# KiCad board adatv2.kicad_pcb
title: 16-in, 16-out USB <-> ADAT interface; rev: 1.0a; company: Rethera; note: Drawn by Łukasz Świszcz
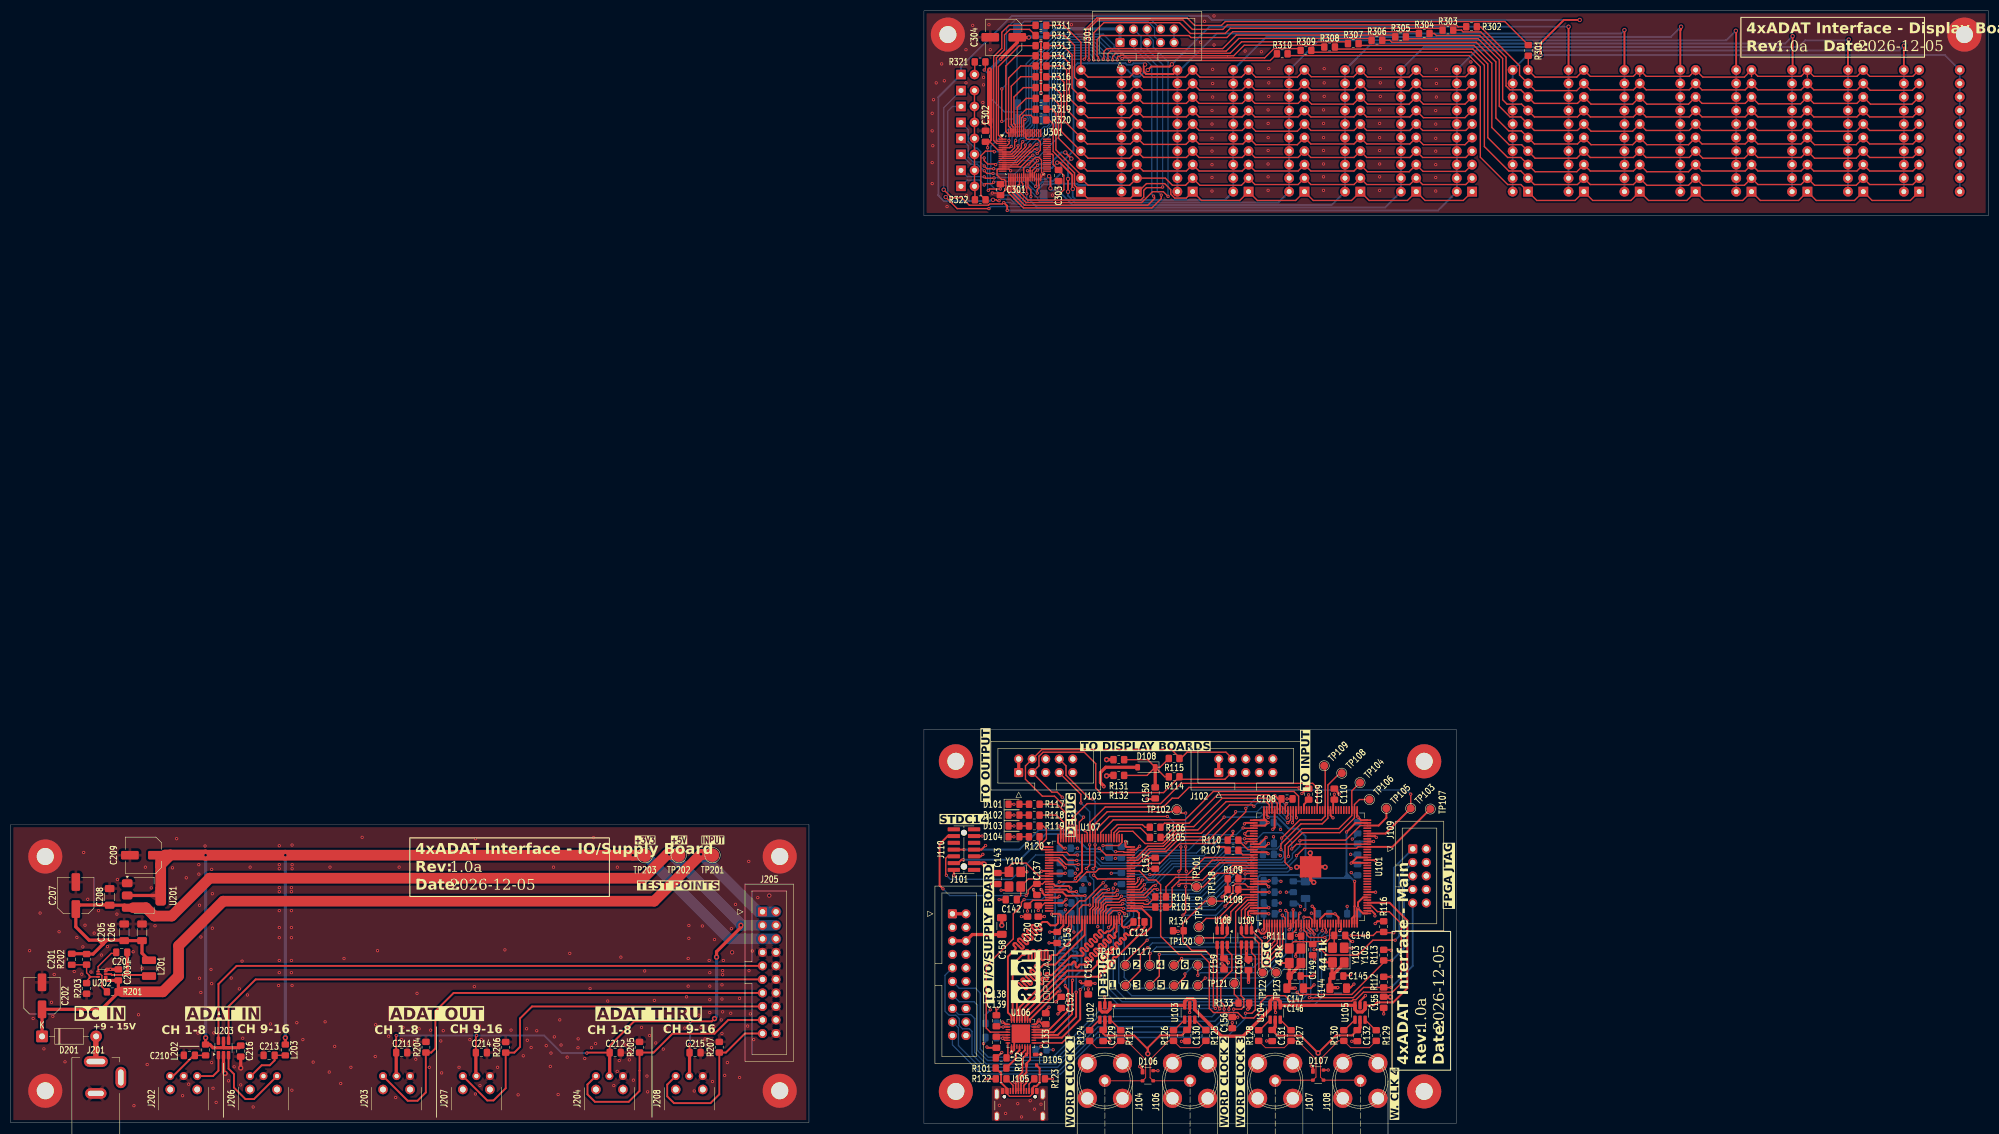
[diagram p0: board, top side]
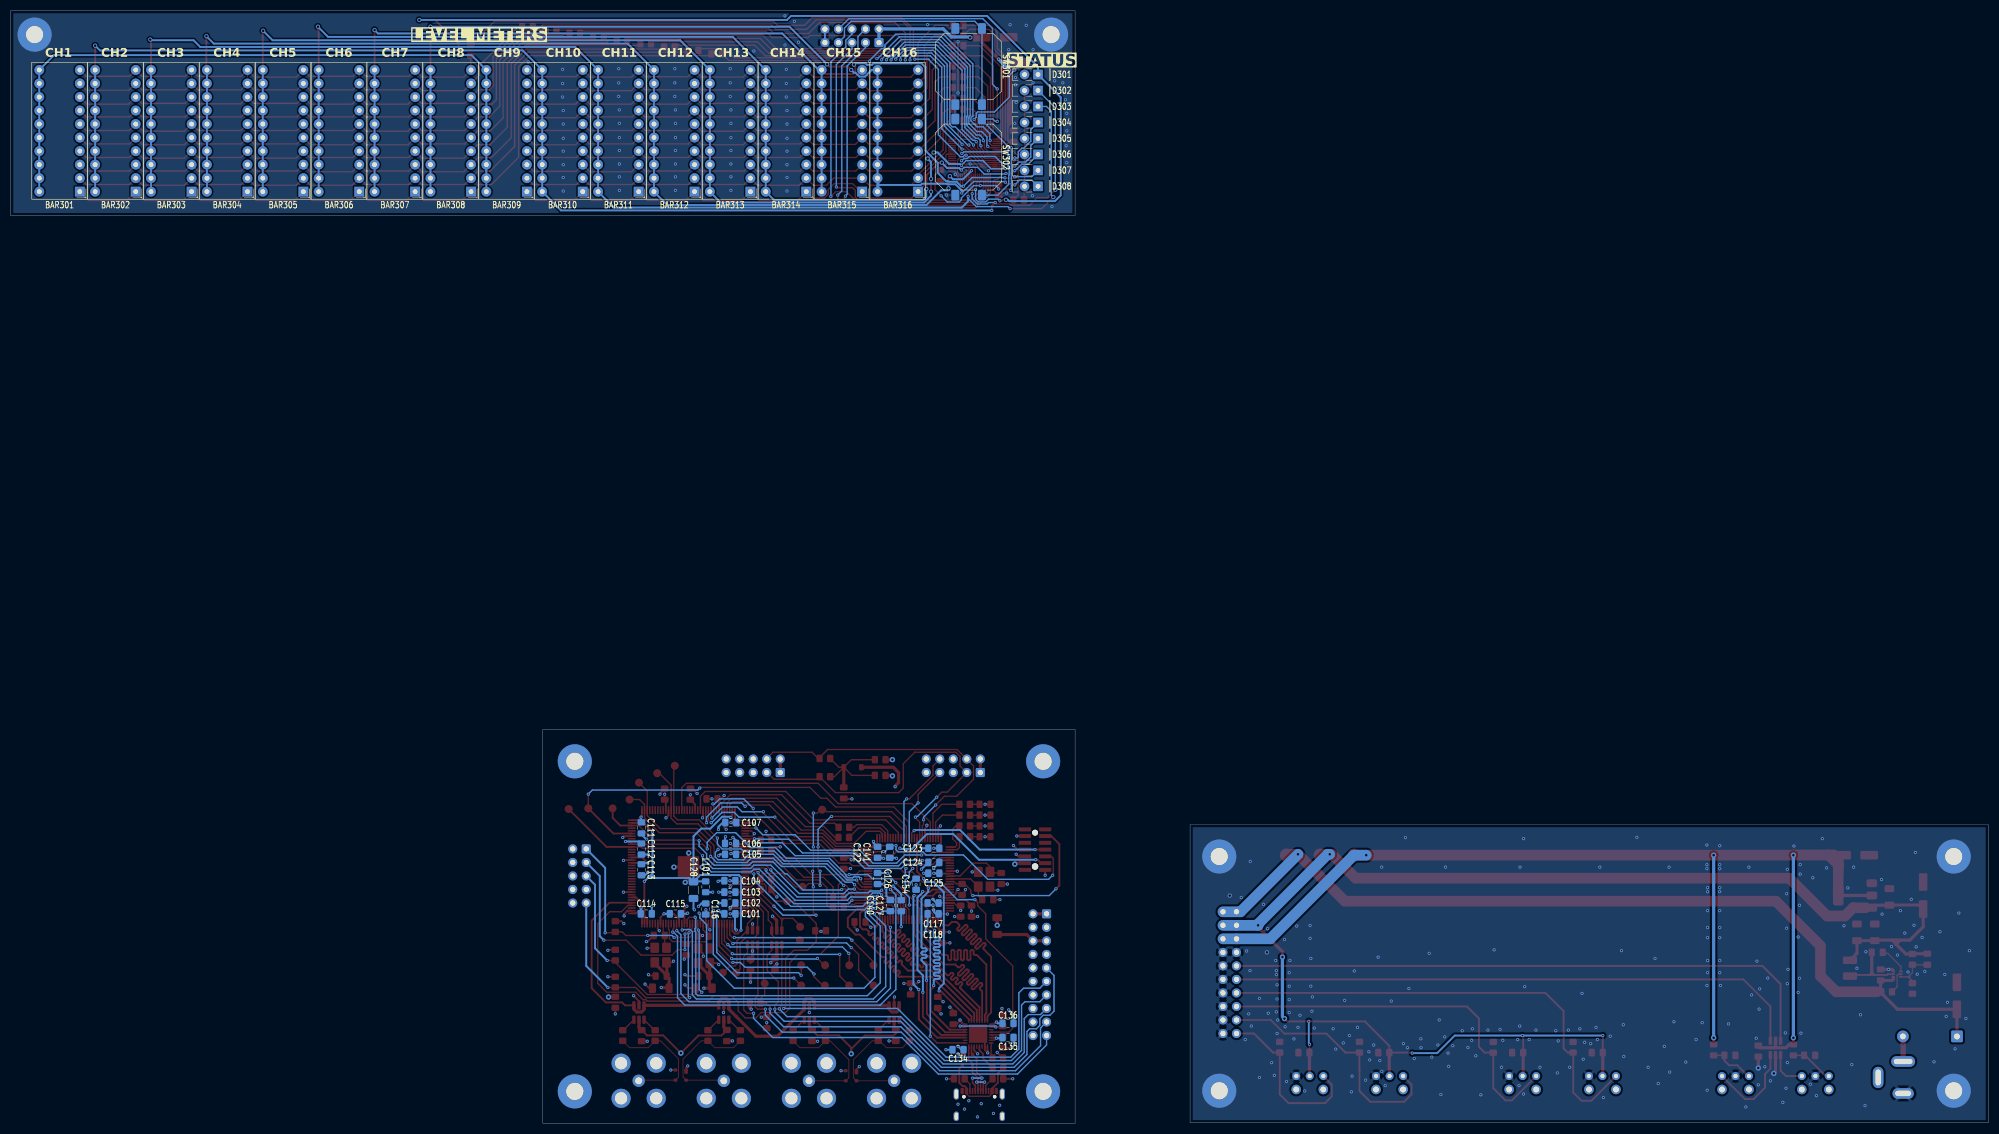
[diagram p1: board, bottom side, seen from below]

Outline 371.6 x 209 mm; copper layers: F.Cu (sig), In1.Cu (gnd) (plane), In2.Cu (pwr) (plane), B.Cu (sig). Coordinates in mm from the lower left corner of the outline.
Outline path: rectangle 0,56.12 150,0.12 ; rectangle 171.6,209 371.6,170.49 ; 171.6,74 271.6,74 271.6,0 171.6,0 171.6,74
Stack: F.Cu (sig) 0.035mm / dielectric 0.2104mm FR4 er 4.4 / In1.Cu (gnd) 0.0152mm / dielectric 1.065mm FR4 er 4.4 / In2.Cu (pwr) 0.0152mm / dielectric 0.2104mm FR4 er 4.4 / B.Cu (sig) 0.035mm

## Placement (name value [footprint] x y rotation side)
BAR301  KYX-B10BRYG-3  [LED_10bar]  362.41 186.43 0 bottom
BAR302  KYX-B10BRYG-3  [LED_10bar]  351.91 186.43 0 bottom
BAR303  KYX-B10BRYG-3  [LED_10bar]  341.41 186.43 0 bottom
BAR304  KYX-B10BRYG-3  [LED_10bar]  330.91 186.43 0 bottom
BAR305  KYX-B10BRYG-3  [LED_10bar]  320.41 186.43 0 bottom
BAR306  KYX-B10BRYG-3  [LED_10bar]  309.91 186.43 0 bottom
BAR307  KYX-B10BRYG-3  [LED_10bar]  299.41 186.43 0 bottom
BAR308  KYX-B10BRYG-3  [LED_10bar]  288.91 186.43 0 bottom
BAR309  KYX-B10BRYG-3  [LED_10bar]  278.41 186.43 0 bottom
BAR310  KYX-B10BRYG-3  [LED_10bar]  267.91 186.43 0 bottom
BAR311  KYX-B10BRYG-3  [LED_10bar]  257.41 186.43 0 bottom
BAR312  KYX-B10BRYG-3  [LED_10bar]  246.91 186.43 0 bottom
BAR313  KYX-B10BRYG-3  [LED_10bar]  236.41 186.43 0 bottom
BAR314  KYX-B10BRYG-3  [LED_10bar]  225.91 186.43 0 bottom
BAR315  KYX-B10BRYG-3  [LED_10bar]  215.41 186.43 0 bottom
BAR316  KYX-B10BRYG-3  [LED_10bar]  204.91 186.43 0 bottom
C101  100n  [C_0805_2012Metric_Pad1.18x1.45mm_HandSolder]  236.46 39.36 0 bottom
C102  100n  [C_0805_2012Metric_Pad1.18x1.45mm_HandSolder]  236.46 41.39 0 bottom
C103  100n  [C_0805_2012Metric_Pad1.18x1.45mm_HandSolder]  236.46 43.42 0 bottom
C104  100n  [C_0805_2012Metric_Pad1.18x1.45mm_HandSolder]  236.46 45.58 0 bottom
C105  100n  [C_0805_2012Metric_Pad1.18x1.45mm_HandSolder]  236.33 50.53 0 bottom
C106  100n  [C_0805_2012Metric_Pad1.18x1.45mm_HandSolder]  236.33 52.56 0 bottom
C107  100n  [C_0805_2012Metric_Pad1.18x1.45mm_HandSolder]  236.29 56.5 0 bottom
C108  100n  [C_0805_2012Metric_Pad1.18x1.45mm_HandSolder]  239.82 60.95 0 top
C109  100n  [C_0805_2012Metric_Pad1.18x1.45mm_HandSolder]  243.89 61.84 90 top
C110  100n  [C_0805_2012Metric_Pad1.18x1.45mm_HandSolder]  248.71 61.84 90 top
C111  100n  [C_0805_2012Metric_Pad1.18x1.45mm_HandSolder]  253.08 55.51 270 bottom
C112  100n  [C_0805_2012Metric_Pad1.18x1.45mm_HandSolder]  253.08 51.53 270 bottom
C113  100n  [C_0805_2012Metric_Pad1.18x1.45mm_HandSolder]  253.08 47.63 270 bottom
C114  100n  [C_0805_2012Metric_Pad1.18x1.45mm_HandSolder]  252.17 39.36 180 bottom
C115  100n  [C_0805_2012Metric_Pad1.18x1.45mm_HandSolder]  246.7 39.36 180 bottom
C116  4.7u  [C_0805_2012Metric_Pad1.18x1.45mm_HandSolder]  241.01 40.27 90 bottom
C117  100n  [C_0805_2012Metric_Pad1.18x1.45mm_HandSolder]  198.27 41.39 0 bottom
C118  100n  [C_0805_2012Metric_Pad1.18x1.45mm_HandSolder]  198.27 39.36 0 bottom
C119  100n  [C_0805_2012Metric_Pad1.18x1.45mm_HandSolder]  193.09 39.86 270 top
C120  100n  [C_0805_2012Metric_Pad1.18x1.45mm_HandSolder]  191.06 39.86 270 top
C121  100n  [C_0805_2012Metric_Pad1.18x1.45mm_HandSolder]  212.01 37.83 0 top
C122  100n  [C_0805_2012Metric_Pad1.18x1.45mm_HandSolder]  208.71 50.91 270 bottom
C123  100n  [C_0805_2012Metric_Pad1.18x1.45mm_HandSolder]  198.15 51.68 0 bottom
C124  100n  [C_0805_2012Metric_Pad1.18x1.45mm_HandSolder]  198.15 49.01 0 bottom
C125  4.7u  [C_0805_2012Metric_Pad1.18x1.45mm_HandSolder]  198.15 46.98 0 bottom
C126  1u  [C_0805_2012Metric_Pad1.18x1.45mm_HandSolder]  208.71 45.98 270 bottom
C127  1u  [C_0805_2012Metric_Pad1.18x1.45mm_HandSolder]  204.26 40.88 90 bottom
C128  10u  [C_1206_3216Metric_Pad1.33x1.80mm_HandSolder]  243.3 43.8 270 bottom
C129  100n  [C_0805_2012Metric_Pad1.18x1.45mm_HandSolder]  205.28 16.5 270 top
C130  100n  [C_0805_2012Metric_Pad1.18x1.45mm_HandSolder]  221.03 16.5 270 top
C131  100n  [C_0805_2012Metric_Pad1.18x1.45mm_HandSolder]  237.03 16.5 270 top
C132  100n  [C_0805_2012Metric_Pad1.18x1.45mm_HandSolder]  253.03 16.47 270 top
C133  100n  [C_0805_2012Metric_Pad1.18x1.45mm_HandSolder]  194.49 19.65 90 top
C134  100n  [C_0805_2012Metric_Pad1.18x1.45mm_HandSolder]  193.6 13.83 0 bottom
C135  100n  [C_0805_2012Metric_Pad1.18x1.45mm_HandSolder]  184.2 16.12 180 bottom
C136  100n  [C_0805_2012Metric_Pad1.18x1.45mm_HandSolder]  184.2 18.78 180 bottom
C137  100n  [C_0805_2012Metric_Pad1.18x1.45mm_HandSolder]  192.84 43.93 270 top
C138  4.7u  [C_0805_2012Metric_Pad1.18x1.45mm_HandSolder]  185.22 19.27 90 top
C139  4.7u  [C_0805_2012Metric_Pad1.18x1.45mm_HandSolder]  185.22 15.23 270 top
C140  2.2u  [C_0805_2012Metric_Pad1.18x1.45mm_HandSolder]  206.3 40.9 90 bottom
C141  2.2u  [C_0805_2012Metric_Pad1.18x1.45mm_HandSolder]  206.42 50.91 270 bottom
C142  15p  [C_0805_2012Metric_Pad1.18x1.45mm_HandSolder]  188.01 42.02 180 top
C143  15p  [C_0805_2012Metric_Pad1.18x1.45mm_HandSolder]  185.47 45.98 270 top
C144  10u  [C_1206_3216Metric_Pad1.33x1.80mm_HandSolder]  249.44 25.39 0 top
C145  100n  [C_0805_2012Metric_Pad1.18x1.45mm_HandSolder]  249.37 27.67 0 top
C146  10u  [C_1206_3216Metric_Pad1.33x1.80mm_HandSolder]  241.35 25.39 0 top
C147  100n  [C_0805_2012Metric_Pad1.18x1.45mm_HandSolder]  241.35 27.67 0 top
C148  10p  [C_0805_2012Metric_Pad1.18x1.45mm_HandSolder]  249.73 35.29 0 top
C149  10p  [C_0805_2012Metric_Pad1.18x1.45mm_HandSolder]  244.65 32.62 270 top
C150  1u  [C_0805_2012Metric_Pad1.18x1.45mm_HandSolder]  215.06 62.07 270 top
C151  10n  [C_0805_2012Metric_Pad1.18x1.45mm_HandSolder]  202.49 25.26 270 top
C152  100n  [C_0805_2012Metric_Pad1.18x1.45mm_HandSolder]  197.41 22.72 270 top
C153  100n  [C_0805_2012Metric_Pad1.18x1.45mm_HandSolder]  196.65 34.91 270 top
C154  100n  [C_0805_2012Metric_Pad1.18x1.45mm_HandSolder]  201.47 44.92 90 bottom
C155  100n  [C_0805_2012Metric_Pad1.18x1.45mm_HandSolder]  257.99 22.74 270 top
C156  100n  [C_0805_2012Metric_Pad1.18x1.45mm_HandSolder]  229.54 18.91 270 top
C157  100n  [C_0805_2012Metric_Pad1.18x1.45mm_HandSolder]  215.06 48.86 90 top
C158  10u  [C_1206_3216Metric_Pad1.33x1.80mm_HandSolder]  186.23 37.07 90 top
C159  100n  [C_0805_2012Metric_Pad1.18x1.45mm_HandSolder]  227.99 29.96 270 top
C160  100n  [C_0805_2012Metric_Pad1.18x1.45mm_HandSolder]  232.59 29.81 270 top
C201  10p  [C_0805_2012Metric_Pad1.18x1.45mm_HandSolder]  11.48 30.82 270 top
C202  100u  [C_Elec_6.3x5.4]  5.9 23.95 90 top
C203  100n  [C_0805_2012Metric_Pad1.18x1.45mm_HandSolder]  20.24 27.88 90 top
C204  100n  [C_0805_2012Metric_Pad1.18x1.45mm_HandSolder]  20.87 32.12 180 top
C205  10u  [C_1206_3216Metric_Pad1.33x1.80mm_HandSolder]  21.33 35.88 90 top
C206  10u  [C_1206_3216Metric_Pad1.33x1.80mm_HandSolder]  24.68 35.88 90 top
C207  100u  [C_Elec_6.3x5.4]  12.25 42.79 90 top
C208  10u  [C_1206_3216Metric_Pad1.33x1.80mm_HandSolder]  18.6 42.53 90 top
C209  100u  [C_Elec_6.3x5.4]  24.94 50.37 180 top
C210  100n  [C_0805_2012Metric_Pad1.18x1.45mm_HandSolder]  33.58 12.78 180 top
C211  100n  [C_0805_2012Metric_Pad1.18x1.45mm_HandSolder]  73.48 13.28 0 top
C212  100n  [C_0805_2012Metric_Pad1.18x1.45mm_HandSolder]  113.59 13.28 0 top
C213  100n  [C_0805_2012Metric_Pad1.18x1.45mm_HandSolder]  48.57 12.78 180 top
C214  100n  [C_0805_2012Metric_Pad1.18x1.45mm_HandSolder]  88.45 13.28 0 top
C215  100n  [C_0805_2012Metric_Pad1.18x1.45mm_HandSolder]  128.6 13.28 0 top
C216  100n  [C_0805_2012Metric_Pad1.18x1.45mm_HandSolder]  43.23 13.57 270 top
C301  100n  [C_0805_2012Metric_Pad1.18x1.45mm_HandSolder]  185.98 175.37 270 top
C302  100n  [C_0805_2012Metric_Pad1.18x1.45mm_HandSolder]  183.18 185.41 90 top
C303  100n  [C_0805_2012Metric_Pad1.18x1.45mm_HandSolder]  196.9 178.04 270 top
C304  100u  [C_Elec_6.3x5.4]  186.6 204 180 top
D101  RED  [LED_0805_2012Metric_Pad1.15x1.40mm_HandSolder]  188.52 59.93 0 top
D102  RED  [LED_0805_2012Metric_Pad1.15x1.40mm_HandSolder]  188.52 57.9 0 top
D103  RED  [LED_0805_2012Metric_Pad1.15x1.40mm_HandSolder]  188.52 55.87 0 top
D104  RED  [LED_0805_2012Metric_Pad1.15x1.40mm_HandSolder]  188.52 53.83 0 top
D105  PRTR5V0U2X  [SOT-143]  191.82 11.92 270 top
D106  PRTR5V0U2X  [SOT-143]  213.68 8.94 0 top
D107  PRTR5V0U2X  [SOT-143]  245.68 9.06 0 top
D108  3V  [D_SOD-123]  213.41 66.88 180 top
D201  1N5819  [D_DO-41_SOD81_P10.16mm_Horizontal]  5.9 16.33 0 top
D301  RED  [LED_THT_W7.0mm_H2.00mm]  179.72 197.01 0 bottom
D302  GREEN  [LED_THT_W7.0mm_H2.00mm]  179.72 194.01 0 bottom
D303  GREEN  [LED_THT_W7.0mm_H2.00mm]  179.72 191.01 0 bottom
D304  GREEN  [LED_THT_W7.0mm_H2.00mm]  179.72 188.01 0 bottom
D305  GREEN  [LED_THT_W7.0mm_H2.00mm]  179.72 185.01 0 bottom
D306  GREEN  [LED_THT_W7.0mm_H2.00mm]  179.72 182.01 0 bottom
D307  GREEN  [LED_THT_W7.0mm_H2.00mm]  179.72 179.01 0 bottom
D308  GREEN  [LED_THT_W7.0mm_H2.00mm]  179.72 176.01 0 bottom
H101  M3  [MountingHole_3.2mm_M3_Pad]  177.6 6 0 top
H102  M3  [MountingHole_3.2mm_M3_Pad]  265.6 6 0 top
H103  M3  [MountingHole_3.2mm_M3_Pad]  177.6 68 0 top
H104  M3  [MountingHole_3.2mm_M3_Pad]  265.6 68 0 top
H201  M3  [MountingHole_3.2mm_M3_Pad]  144.51 6.12 180 top
H202  M3  [MountingHole_3.2mm_M3_Pad]  6.51 6.12 180 top
H203  M3  [MountingHole_3.2mm_M3_Pad]  6.51 50.12 180 top
H204  M3  [MountingHole_3.2mm_M3_Pad]  144.51 50.12 180 top
H301  M3  [MountingHole_3.2mm_M3_Pad]  367.1 204.5 0 top
H302  M3  [MountingHole_3.2mm_M3_Pad]  176.1 204.5 0 top
J101  TO_IO  [IDC-Header_2x10_P2.54mm_Vertical]  176.96 39.36 0 top
J102  TO_DISP_INPUT  [IDC-Header_2x05_P2.54mm_Vertical]  227 65.9 90 top
J103  TO_DISP_OUTPUT  [IDC-Header_2x05_P2.54mm_Vertical]  189.41 65.9 90 top
J104  WORD_CLK_1  [BNC_dosinconn_DOSIN-801-0051]  205.6 8 180 top
J105  USB_C_Receptacle_USB2.0_14P  [USB_C_Receptacle_GCT_USB4105-xx-A_16P_TopMnt_Horizontal]  189.6 2.4 0 top
J106  WORD_CLK_2  [BNC_dosinconn_DOSIN-801-0051]  221.6 8 180 top
J107  WORD_CLK_3  [BNC_dosinconn_DOSIN-801-0051]  237.6 8 180 top
J108  WORD_CLK_4  [BNC_dosinconn_DOSIN-801-0051]  253.6 8 180 top
J109  FPGA_JTAG  [IDC-Header_2x05_P2.54mm_Vertical]  263.45 51.55 0 top
J110  STDC14_SWD  [Samtec-FTSH-107-01-L-DV-K]  179.12 51.42 90 top
J201  9-15V DC  [CUI PJ-002A]  16.01 5.12 180 top
J202  PLR237  [PLx237]  32.51 4.62 180 top
J203  PLT237  [PLx237]  72.51 4.62 180 top
J204  PLT237  [PLx237]  112.51 4.62 180 top
J205  TO_MAIN  [IDC-Header_2x10_P2.54mm_Vertical]  141.27 39.74 0 top
J206  PLR237  [PLx237]  47.51 4.62 180 top
J207  PLT237  [PLx237]  87.51 4.62 180 top
J208  PLT237  [PLx237]  127.51 4.62 180 top
J301  TO_MAIN  [IDC-Header_2x05_P2.54mm_Vertical]  208.44 203 90 top
L101  FBMH2012HM221-TV  [L_0805_2012Metric_Pad1.15x1.40mm_HandSolder]  241.01 44.44 90 bottom
L201  3.3u  [L_1210_3225Metric_Pad1.42x2.65mm_HandSolder]  26 29.15 90 top
L202  47u  [L_0805_2012Metric_Pad1.15x1.40mm_HandSolder]  36.63 13.78 270 top
L203  47u  [L_0805_2012Metric_Pad1.15x1.40mm_HandSolder]  51.62 13.78 270 top
R101  1k  [R_0805_2012Metric_Pad1.20x1.40mm_HandSolder]  186.09 10.4 180 top
R102  12k/1%  [R_0805_2012Metric_Pad1.20x1.40mm_HandSolder]  186.12 12.31 0 top
R103  150  [R_0805_2012Metric_Pad1.20x1.40mm_HandSolder]  216.08 40.63 0 top
R104  150  [R_0805_2012Metric_Pad1.20x1.40mm_HandSolder]  216.08 42.53 0 top
R105  150  [R_0805_2012Metric_Pad1.20x1.40mm_HandSolder]  215.06 53.71 0 top
R106  150  [R_0805_2012Metric_Pad1.20x1.40mm_HandSolder]  215.04 55.61 0 top
R107  10k  [R_0805_2012Metric_Pad1.20x1.40mm_HandSolder]  229.68 51.29 0 top
R108  10k  [R_0805_2012Metric_Pad1.20x1.40mm_HandSolder]  229.67 43.93 0 top
R109  10k  [R_0805_2012Metric_Pad1.20x1.40mm_HandSolder]  229.68 45.96 0 top
R110  10k  [R_0805_2012Metric_Pad1.20x1.40mm_HandSolder]  229.68 53.2 0 top
R111  10k  [R_0805_2012Metric_Pad1.20x1.40mm_HandSolder]  241.48 35.16 180 top
R112  10k  [R_0805_2012Metric_Pad1.20x1.40mm_HandSolder]  257.99 26.53 270 top
R113  10k  [R_0805_2012Metric_Pad1.20x1.40mm_HandSolder]  257.99 31.59 270 top
R114  5.1k  [R_0805_2012Metric_Pad1.20x1.40mm_HandSolder]  218.62 65.11 180 top
R115  5.1k  [R_0805_2012Metric_Pad1.20x1.40mm_HandSolder]  218.62 68.53 180 top
R116  10k  [R_0805_2012Metric_Pad1.20x1.40mm_HandSolder]  257.99 36.96 90 top
R117  1k  [R_0805_2012Metric_Pad1.20x1.40mm_HandSolder]  192.34 59.93 0 top
R118  1k  [R_0805_2012Metric_Pad1.20x1.40mm_HandSolder]  192.33 57.9 0 top
R119  1k  [R_0805_2012Metric_Pad1.20x1.40mm_HandSolder]  192.34 55.87 0 top
R120  1k  [R_0805_2012Metric_Pad1.20x1.40mm_HandSolder]  192.33 53.83 0 top
R121  20  [R_0805_2012Metric_Pad1.20x1.40mm_HandSolder]  208.58 16.5 270 top
R122  5.1k  [R_0805_2012Metric_Pad1.20x1.40mm_HandSolder]  186.1 8.37 180 top
R123  5.1k  [R_0805_2012Metric_Pad1.20x1.40mm_HandSolder]  193.34 8.37 0 top
R124  20  [R_0805_2012Metric_Pad1.20x1.40mm_HandSolder]  202.74 16.5 270 top
R125  20  [R_0805_2012Metric_Pad1.20x1.40mm_HandSolder]  224.59 16.5 270 top
R126  20  [R_0805_2012Metric_Pad1.20x1.40mm_HandSolder]  218.49 16.5 270 top
R127  20  [R_0805_2012Metric_Pad1.20x1.40mm_HandSolder]  240.59 16.5 270 top
R128  20  [R_0805_2012Metric_Pad1.20x1.40mm_HandSolder]  234.49 16.5 270 top
R129  20  [R_0805_2012Metric_Pad1.20x1.40mm_HandSolder]  256.59 16.5 270 top
R130  20  [R_0805_2012Metric_Pad1.20x1.40mm_HandSolder]  250.49 16.5 270 top
R131  1k  [R_0805_2012Metric_Pad1.20x1.40mm_HandSolder]  208.22 68.31 0 top
R132  1k  [R_0805_2012Metric_Pad1.20x1.40mm_HandSolder]  208.22 65.36 0 top
R133  150  [R_0805_2012Metric_Pad1.20x1.40mm_HandSolder]  231.71 22.59 180 top
R134  150  [R_0805_2012Metric_Pad1.20x1.40mm_HandSolder]  219.41 36.18 0 top
R201  100k  [R_0805_2012Metric_Pad1.20x1.40mm_HandSolder]  19.1 24.71 180 top
R202  11k  [R_0805_2012Metric_Pad1.20x1.40mm_HandSolder]  14.27 30.8 270 top
R203  1.5k  [R_0805_2012Metric_Pad1.20x1.40mm_HandSolder]  14.27 25.34 270 top
R204  150  [R_0805_2012Metric_Pad1.20x1.40mm_HandSolder]  78.03 14.3 90 top
R205  150  [R_0805_2012Metric_Pad1.20x1.40mm_HandSolder]  118.16 14.3 90 top
R206  150  [R_0805_2012Metric_Pad1.20x1.40mm_HandSolder]  93.02 14.28 90 top
R207  150  [R_0805_2012Metric_Pad1.20x1.40mm_HandSolder]  133.15 14.3 90 top
R301  330  [R_0805_2012Metric_Pad1.20x1.40mm_HandSolder]  285.16 201.53 270 top
R302  330  [R_0805_2012Metric_Pad1.20x1.40mm_HandSolder]  274.5 205.98 0 top
R303  270  [R_0805_2012Metric_Pad1.20x1.40mm_HandSolder]  270.05 205.34 0 top
R304  270  [R_0805_2012Metric_Pad1.20x1.40mm_HandSolder]  265.61 204.71 0 top
R305  270  [R_0805_2012Metric_Pad1.20x1.40mm_HandSolder]  261.16 204.07 0 top
R306  270  [R_0805_2012Metric_Pad1.20x1.40mm_HandSolder]  256.72 203.44 0 top
R307  270  [R_0805_2012Metric_Pad1.20x1.40mm_HandSolder]  252.27 202.81 0 top
R308  270  [R_0805_2012Metric_Pad1.20x1.40mm_HandSolder]  247.83 202.17 0 top
R309  270  [R_0805_2012Metric_Pad1.20x1.40mm_HandSolder]  243.38 201.53 0 top
R310  270  [R_0805_2012Metric_Pad1.20x1.40mm_HandSolder]  238.94 200.9 0 top
R311  330  [R_0805_2012Metric_Pad1.20x1.40mm_HandSolder]  193.58 206.23 0 top
R312  330  [R_0805_2012Metric_Pad1.20x1.40mm_HandSolder]  193.58 204.33 0 top
R313  270  [R_0805_2012Metric_Pad1.20x1.40mm_HandSolder]  193.58 202.42 0 top
R314  270  [R_0805_2012Metric_Pad1.20x1.40mm_HandSolder]  193.58 200.52 0 top
R315  270  [R_0805_2012Metric_Pad1.20x1.40mm_HandSolder]  193.6 198.61 0 top
R316  270  [R_0805_2012Metric_Pad1.20x1.40mm_HandSolder]  193.58 196.58 0 top
R317  270  [R_0805_2012Metric_Pad1.20x1.40mm_HandSolder]  193.58 194.55 0 top
R318  270  [R_0805_2012Metric_Pad1.20x1.40mm_HandSolder]  193.6 192.52 0 top
R319  270  [R_0805_2012Metric_Pad1.20x1.40mm_HandSolder]  193.6 190.49 0 top
R320  270  [R_0805_2012Metric_Pad1.20x1.40mm_HandSolder]  193.6 188.45 0 top
R321  330  [R_0805_2012Metric_Pad1.20x1.40mm_HandSolder]  182.15 199.38 180 top
R322  270  [R_0805_2012Metric_Pad1.20x1.40mm_HandSolder]  182.18 173.47 180 top
SW301  SAMPLE RATE  [SW_Push_1P1T_NO_CK_PTS125Sx43SMTR]  191.6 198.5 270 bottom
SW302  LOOPBACK  [SW_Push_1P1T_NO_CK_PTS125Sx43SMTR]  191.6 181.5 270 bottom
TP101  FPGA_STATUS  [TestPoint_Pad_D1.5mm]  222.81 44.44 0 top
TP102  FPGA_CONF_DONE  [TestPoint_Pad_D1.5mm]  219.12 58.91 0 top
TP103  GPIO_MCU_READY  [TestPoint_Pad_D1.5mm]  263.07 59.17 0 top
TP104  GPIO_F_{s}_SEL  [TestPoint_Pad_D1.5mm]  253.54 63.99 0 top
TP105  GPIO_PLL_LOCKED  [TestPoint_Pad_D1.5mm]  258.49 59.17 0 top
TP106  GPIO_I2S_RESYNC_REQ  [TestPoint_Pad_D1.5mm]  255.32 60.82 0 top
TP107  GPIO_I2S_RUNNING  [TestPoint_Pad_D1.5mm]  266.75 59.04 0 top
TP108  GPIO_ADAT1_LOCKED  [TestPoint_Pad_D1.5mm]  250.11 65.77 0 top
TP109  GPIO_ADAT2_LOCKED  [TestPoint_Pad_D1.5mm]  246.81 67.17 0 top
TP110  DEBUG0  [TestPoint_Pad_D1.5mm]  209.47 29.7 0 top
TP111  DEBUG1  [TestPoint_Pad_D1.5mm]  209.47 25.89 180 top
TP112  DEBUG2  [TestPoint_Pad_D1.5mm]  214.02 29.7 0 top
TP113  DEBUG3  [TestPoint_Pad_D1.5mm]  214.04 25.89 180 top
TP114  DEBUG4  [TestPoint_Pad_D1.5mm]  218.57 29.7 0 top
TP115  DEBUG5  [TestPoint_Pad_D1.5mm]  218.62 25.89 180 top
TP116  DEBUG6  [TestPoint_Pad_D1.5mm]  223.06 29.7 0 top
TP117  DEBUG7  [TestPoint_Pad_D1.5mm]  223.06 25.89 180 top
TP118  ADAT_IN2  [TestPoint_Pad_D1.5mm]  225.7 41.74 0 top
TP119  ADAT_OUT1  [TestPoint_Pad_D1.5mm]  223.26 36.92 180 top
TP120  ADAT_OUT2  [TestPoint_Pad_D1.5mm]  223.31 34.4 90 top
TP121  ADAT_IN1  [TestPoint_Pad_D1.5mm]  229.92 26.28 90 top
TP122  ADAT_THRU1  [TestPoint_Pad_D1.5mm]  235.25 28.31 90 top
TP123  ADAT_THRU2  [TestPoint_Pad_D1.5mm]  237.79 28.31 270 top
TP201  +12V_IO  [TestPoint_Pad_D2.5mm]  131.88 50.37 180 top
TP202  +5V_IO  [TestPoint_Pad_D2.5mm]  125.53 50.37 180 top
TP203  +3.3V_IO  [TestPoint_Pad_D2.5mm]  119.18 50.37 180 top
U101  10M02SCE144  [EQFP-144-1EP_20x20mm_P0.5mm_EP4x4mm]  244.25 48.19 90 top
U102  74LVC2G17  [SOT-23-6_Handsoldering]  205.6 20.81 270 top
U103  74LVC2G17  [SOT-23-6_Handsoldering]  221.54 20.81 270 top
U104  74LVC2G17  [SOT-23-6_Handsoldering]  237.61 20.81 270 top
U105  74LVC2G17  [SOT-23-6_Handsoldering]  253.54 20.81 270 top
U106  USB3300-EZK  [QFN-32-1EP_5x5mm_P0.5mm_EP3.45x3.45mm]  189.81 16.85 90 top
U107  STM32F429VET6  [LQFP-100_14x14mm_P0.5mm]  202.81 45.91 0 top
U108  74LVC2G17  [SOT-23-6_Handsoldering]  227.65 34.86 270 top
U109  74LVC2G17  [SOT-23-6_Handsoldering]  232.2 34.91 270 top
U201  AMS1117-3.3  [SOT-223-3_TabPin2]  25.05 42.8 0 top
U202  TPS56124x  [SOT-563]  17.14 28.02 180 top
U203  74LVC2G17  [SOT-23-6_Handsoldering]  39.99 14.16 90 top
U301  HT1635D  [LQFP-64_7x7mm_P0.4mm]  190.55 181.85 0 top
Y101  24.000MHz  [Oscillator_SMD_Abracon_ASE-4Pin_3.2x2.5mm_HandSoldering]  188.69 45.85 90 top
Y102  OT2EL89CJI-111YLC-11.2896M  [Oscillator_SMD_Abracon_ASE-4Pin_3.2x2.5mm_HandSoldering]  249.48 31.61 90 top
Y103  ECS-TXO-3225MV-122.8-TR  [Oscillator_SMD_Abracon_ASE-4Pin_3.2x2.5mm_HandSoldering]  241.35 31.48 90 top
